# Altium PCB Vibration.PcbDoc (continued)
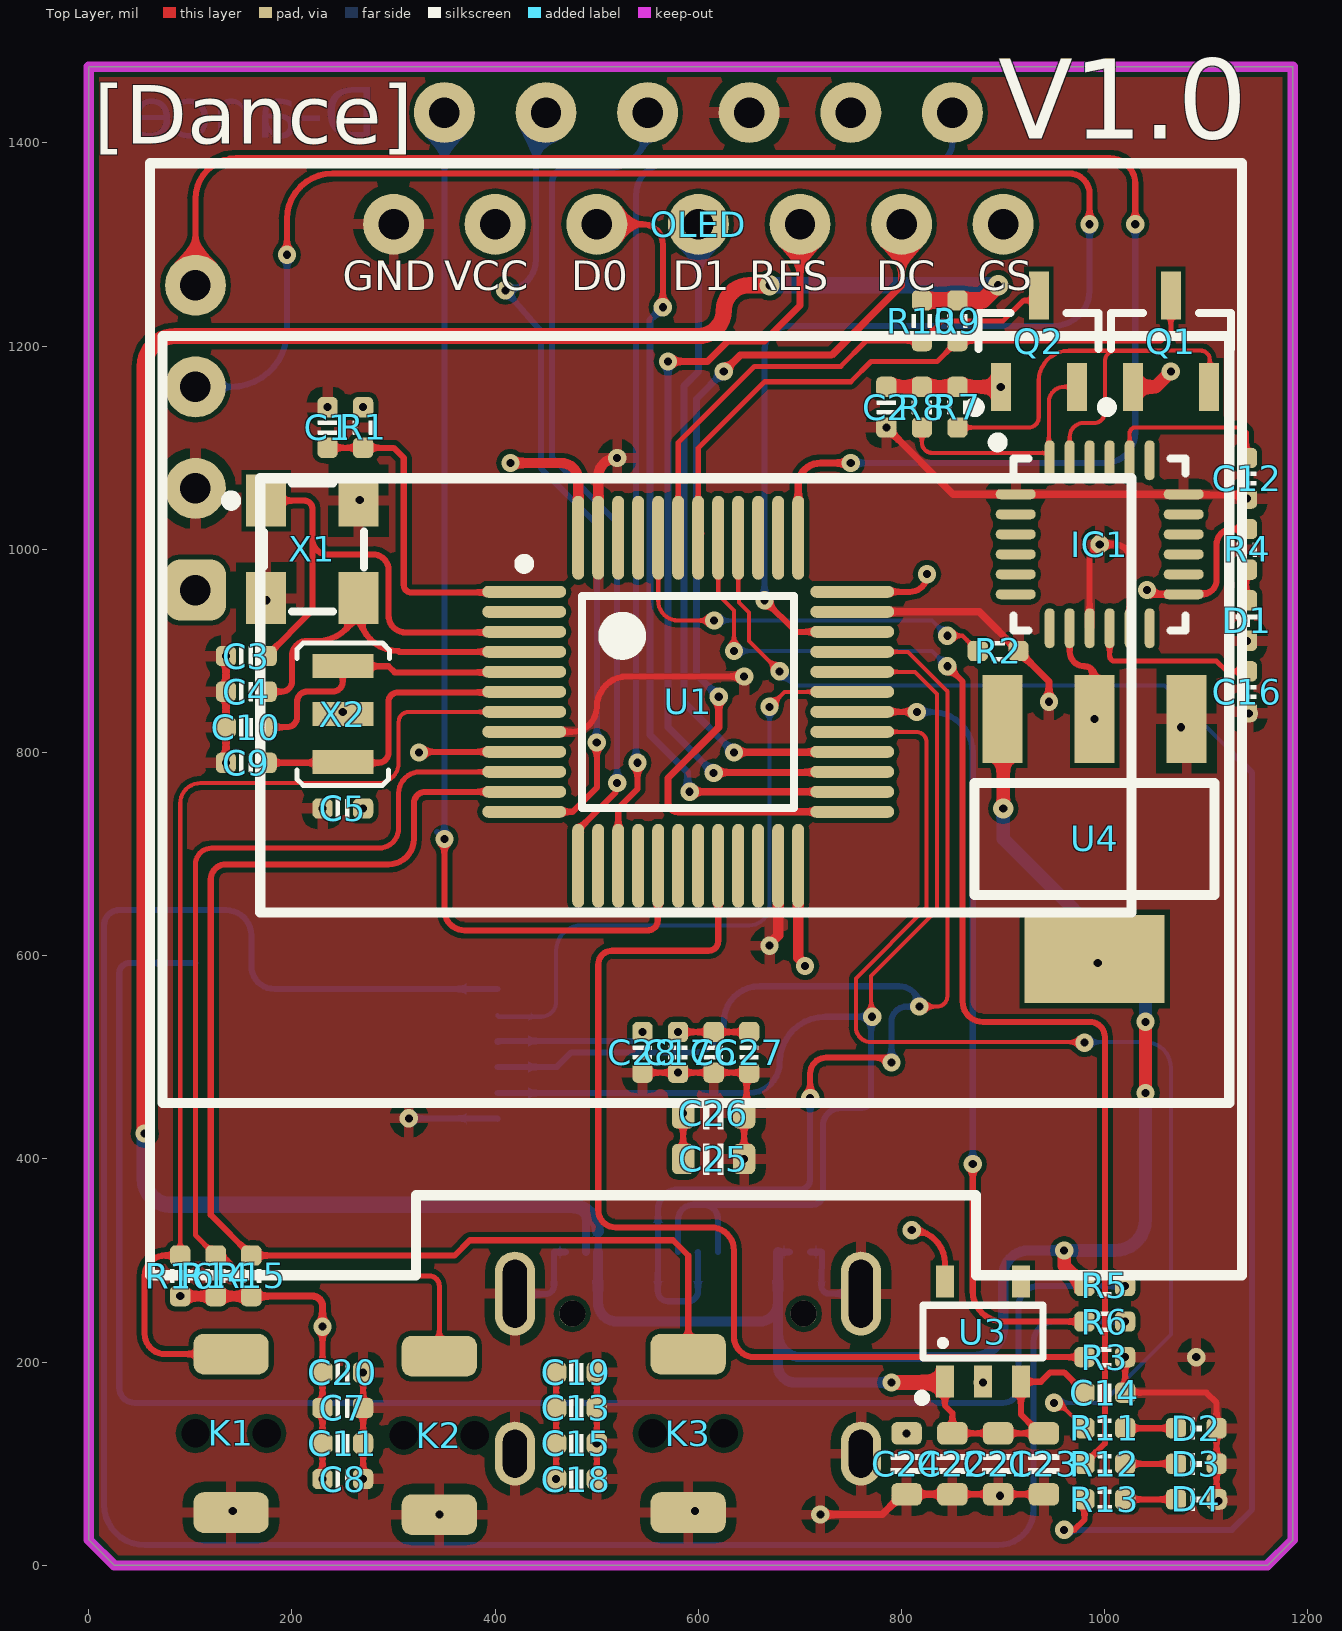
[diagram p0: Top Layer view]
## Layer stack, top to bottom (continued)

## Board outline
25,0 0,25 0,1475 1185,1475 1185,25 1160,0

## Design rules (kind name [scope] priority, off if disabled: settings)
Clearance [All] p1: gap=5
PlaneClearance [All] p1: clearance=6
PlaneConnect [All] p1: planeconnectstyle=Relief reliefexpansion=20 reliefentries=4 reliefconductorwidth=10 reliefairgap=10
PolygonConnect [All] p1: connectstyle=Relief reliefconductorwidth=10 reliefentries=4 polygonreliefangle="90 Angle" airgapwidth=10
RoutingVias [All] p1: holewidth=28 width=50 viastyle="Through Hole" minholewidth=28 minwidth=50 maxholewidth=28 maxwidth=50
SolderMaskExpansion [All] p1: expansion=4
Width [All] p1: maxlimit=20 minlimit=4 preferedwidth=6
28 further rules are at their usual default settings.

## Components (designator, comment, footprint, x,y, rotation, side; value= is the part's Value field where it differs from the comment)
"Blue tooth1" "Blue tooth" 蓝牙 565,820 r180 bottom
C1 "0.1uF" CAP_0402 235,1120 r270 top
C2 "0.1uF" CAP_0402 785,1140 r270 top
C3 "12pF" CAP_0402 155,895 r180 top
C4 "12pF" CAP_0402 155,860 r0 top
C5 "0.1uF" CAP_0402 250,745 r0 top
C6 "2.2uF" CAP_0402 615,505 r270 top
C7 "2.2uF" CAP_0402 250,155 r0 top
C8 "2.2uF" CAP_0402 250,85 r0 top
C9 "22pF" CAP_0402 155,790 r0 top
C10 "22pF" CAP_0402 155,825 r0 top
C11 "0.1uF" CAP_0402 250,120 r180 top
C12 "104" CAP_0402 1140,1070 r90 top
C13 "104" CAP_0402 480,155 r0 top
C14 "104" CAP_0402 1000,170 r0 top
C15 "104" CAP_0402 480,120 r0 top
C16 "104" CAP_0402 1140,860 r270 top
C17 "2.2uF" CAP_0402 580,505 r270 top
C18 "2.2uF" CAP_0402 480,85 r0 top
C19 "2.2uF" CAP_0402 480,190 r0 top
C20 "2.2uF" CAP_0402 250,190 r0 top
C21 "0.1uF" 0603-CAP 895,100 r90 top
C22 "0.1uF" 0603-CAP 850,100 r90 top
C23 "0.1uF" 0603-CAP 940,100 r90 top
C24 "0.1uF" 0603-CAP 805,100 r90 top
C25 "0.1uF" 0603-CAP 615,400 r180 top
C26 "0.1uF" 0603-CAP 615,445 r180 top
C27 "2.2uF" CAP_0402 650,505 r270 top
C28 "0.1uF" CAP_0402 545,505 r90 top
D1 "color?" LED_0402_BLUE 1140,930 r270 top
D2 "color?" LED_0402_BLUE 1090,135 r0 top
D3 "color?" LED_0402_BLUE 1090,100 r0 top
D4 "color?" LED_0402_BLUE 1090,65 r0 top
IC1 "MPU6050" "QFN24 - 4*4*0.9" 995,1005 r180 top
K1 "TACT 2P" ButtonTACT_3x4x2_180H 140,130 r90 top
K2 "TACT 2P" ButtonTACT_3x4x2_180H 345,128 r270 top
K3 "TACT 2P" ButtonTACT_3x4x2_180H 590,130 r270 top
OLED "OLED" "OLED 0.96" 300,1320 r0 top
Port "CH340T" SSOP-20 407.09,618.54 r180 bottom
Q1 "L2N7002LT1G" SOT23-3N 1065,1205 r0 top
Q2 "L2N7002LT1G" SOT23-3N 935,1205 r0 top
R1 "10K" RES_0402 270,1120 r270 top
R2 "10K" RES_0402 895,900 r0 top
R3 "10K" RES_0402 1000,205 r180 top
R4 "1K" RES_0402 1140,1000 r270 top
R5 "10K" RES_0402 1000,275 r180 top
R6 "200" RES_0402 1000,240 r0 top
R7 "4.7K" RES_0402 855,1140 r270 top
R8 "4.7K" RES_0402 820,1140 r270 top
R9 "4.7K" RES_0402 855,1225 r90 top
R10 "4.7K" RES_0402 820,1225 r90 top
R11 "510R" RES_0402 1000,135 r0 top
R12 "510R" RES_0402 1000,100 r0 top
R13 "510R" RES_0402 1000,65 r0 top
R14 "10K" RES_0402 125,285 r90 top
R15 "10K" RES_0402 160,285 r90 top
R16 "10K" RES_0402 90,285 r270 top
SWD1 "SWD" SWD 105,960 r90 bottom
U1 "STM32F103C8" LQFP48_M 590,850 r0 top
U3 "SPX3819M5" "L - SOT23-5L" 880,230 r0 top
U4 "1117-ADJ" SOT223_JX 990,715 r90 top
USB1 "Type-C" Type-C-TOP 589.72,209.21 r270 bottom
X1 "32MHz" "XTAL3225   无源" 220,1000 r270 top
X2 "8MHz" XTAL3215 250,837.76 r270 top

## Footprints (in the part's own frame and the unit in brackets; to place one, negate y for a bottom-side part, rotate by r counter-clockwise, add the part's x,y. Pads: shape width x height; smd on the part's side, far side on the other; paste and mask are expansions set on the pad)
0603-CAP [mil]
  rrect50% 22x30 smd: 1(-30,0) 2(30,0)
  silkscreen extent -10,-15 10,15, body extent -31,-16 32,16, height 31
ButtonTACT_3x4x2_180H [mil]
  round 0 hole 28: 0(0,35) 0(0,-35)
  rrect50% 40x74 smd: 1(-78,0) 2(78,0)
  body extent -79,-49 79,49, height 63
CAP_0402 [mil]
  rrect50% 20x20 smd: 1(-20,0) 2(20,0)
  silkscreen extent -7,-9 7,9, body extent -20,-10 20,10, height 20
"L - SOT23-5L" [mm] "3x1.6x1.1mm(长宽高)"
  rect 0.45x0.8 smd: 1(-0.95,-1.25) 2(0,-1.25) 3(0.95,-1.25) 4(0.95,1.25) 5(-0.95,1.25)
  silkscreen extent -1.6,-1.73 1.5,0.66, body extent -1.5,-1.25 1.5,1.25, height 1.08
LED_0402_BLUE [mil]
  rrect50% 20x20 smd: 1(-20,0) 2(20,0)
  silkscreen extent -6,-11 6,10, body extent -20,-10 20,10, height 18
LQFP48_M [mm] "封装库来自淘宝 ID：黄晶宝石 Thin QFP, 48-Leads, Body 7x7mm, Pitch 0.5mm, IPC Low Density"
  oval 2.1x0.3 smd: 1(-4.1,2.75) 2(-4.1,2.25) 3(-4.1,1.75) 4(-4.1,1.25) 5(-4.1,0.75) 6(-4.1,0.25) 7(-4.1,-0.25) 8(-4.1,-0.75) 9(-4.1,-1.25) 10(-4.1,-1.75) 11(-4.1,-2.25) 12(-4.1,-2.75) 25(4.1,-2.75) 26(4.1,-2.25) 27(4.1,-1.75) 28(4.1,-1.25) 29(4.1,-0.75) 30(4.1,-0.25) 31(4.1,0.25) 32(4.1,0.75) 33(4.1,1.25) 34(4.1,1.75) 35(4.1,2.25) 36(4.1,2.75)
  oval 0.3x2.1 smd: 13(-2.75,-4.1) 14(-2.25,-4.1) 15(-1.75,-4.1) 16(-1.25,-4.1) 17(-0.75,-4.1) 18(-0.25,-4.1) 19(0.25,-4.1) 20(0.75,-4.1) 21(1.25,-4.1) 22(1.75,-4.1) 23(2.25,-4.1) 24(2.75,-4.1) 37(2.75,4.1) 38(2.25,4.1) 39(1.75,4.1) 40(1.25,4.1) 41(0.75,4.1) 42(0.25,4.1) 43(-0.25,4.1) 44(-0.75,4.1) 45(-1.25,4.1) 46(-1.75,4.1) 47(-2.25,4.1) 48(-2.75,4.1)
  silkscreen extent -4.22,-2.65 2.65,3.57, body extent -4.5,-4.5 4.5,4.5, height 1.45
"OLED 0.96" [mil]
  round 60 hole 30: 1(0,0) 2(100,0) 3(200,0) 4(300,0) 5(400,0) 6(500,0) 7(600,0)
  silkscreen extent -240,-1034 835,60, body extent -228,-1036 824,61, height 334
"QFN24 - 4*4*0.9" [mm]
  oval 1x0.25 smd: 1(2.101,-1.251) 2(2.101,-0.751) 3(2.101,-0.251) 4(2.101,0.249) 5(2.101,0.749) 6(2.101,1.249) 13(-2.099,1.249) 14(-2.099,0.749) 15(-2.099,0.249) 16(-2.099,-0.251) 17(-2.099,-0.751) 18(-2.099,-1.251)
  oval 0.25x1 smd: 7(1.251,2.099) 8(0.751,2.099) 9(0.251,2.099) 10(-0.249,2.099) 11(-0.749,2.099) 12(-1.249,2.099) 19(-1.249,-2.101) 20(-0.749,-2.101) 21(-0.249,-2.101) 22(0.251,-2.101) 23(0.751,-2.101) 24(1.251,-2.101)
  silkscreen extent -2.15,-2.67 2.67,2.15, body extent -2.02,-2.02 2.02,2.02, height 0.88
RES_0402 [mil]
  rrect50% 20x20 smd: 1(-20,0) 2(20,0)
  silkscreen extent -7,-10 7,10, body extent -20,-10 20,10, height 14
SOT23-3N [mm] "3x1.3x1mm(长宽高)"
  rect 0.5x1.2 smd: 1(-0.95,-1.143) 2(0.95,-1.143) 3(0,1.143)
  silkscreen extent -1.72,-1.78 1.5,0.7, body extent -1.5,-1.2 1.5,1.2, height 1.05
SOT223_JX [mm]
  rect 2.2x1 smd: 1(3,-2.3) 2(3,0) 3(3,2.3)
  rect 2.2x3.5 smd: 2(-3,0)
  silkscreen extent -1.4,-3 1.4,3, body extent -3.61,-3.25 3.35,3.25, height 1.7
SSOP-20 [mm]
  rect 1.727x0.3 smd: 1(0.127,0)
  oval 1.727x0.3 smd: 2(0.127,-0.65) 3(0.127,-1.3) 4(0.127,-1.95) 5(0.127,-2.6) 6(0.127,-3.25) 7(0.127,-3.9) 8(0.127,-4.55) 9(0.127,-5.2) 10(0.127,-5.85) 11(7.673,-5.85) 12(7.673,-5.2) 13(7.673,-4.55) 14(7.673,-3.9) 15(7.673,-3.25) 16(7.673,-2.6) 17(7.673,-1.95) 18(7.673,-1.3) 19(7.673,-0.65) 20(7.673,0)
  silkscreen extent 1.84,-6.18 5.96,0.53, body extent -0.01,-6.52 7.89,0.78, height 1.79
SWD [mil] "SWD"
  rrect50% 60x60 hole 30: 1(0,0)
  round 60 hole 30: 2(100,0) 3(200,0) 4(300,0)
  silkscreen extent -45,-70 345,45, body extent -50,-53 350,45, height 323
Type-C-TOP [mm]
  round 0.65 hole 0.65: 0(-0.98,-2.89) 0(-0.98,2.89)
  oval 1.6x1 hole 0.6 slot 1.2 at 0 deg: 1(2.52,4.325) 2(2.52,-4.325)
  oval 2.1x1 hole 0.6 slot 1.7 at 0 deg: 3(-1.48,-4.325) 4(-1.48,4.325)
  rrect50% 1.5x0.3 smd: A1(-2.52,-3.35) A4(-2.52,-2.55) A5(-2.52,-1.25) A6(-2.52,-0.25) A7(-2.52,0.25) A8(-2.52,1.25) A9(-2.52,2.55) A12(-2.52,3.35) B1(-2.52,3.05) B4(-2.52,2.25) B5(-2.52,1.75) B6(-2.52,0.75) B7(-2.52,-0.75) B8(-2.52,-1.75) B9(-2.52,-2.25) B12(-2.52,-3.05)
  silkscreen extent -0.22,-4.33 5.12,4.33, body extent -2.64,-4.48 5.26,4.46, height 3.28
XTAL3215 [mm]
  rect 0.6x1.524 smd: 1(-1.2,0) 2(0,0) 3(1.2,0)
  silkscreen extent -1.78,-1.14 1.78,1.17
"XTAL3225   无源" [mil]
  rect 51.18x39.37 smd: 1(-48,-45.5) 2(48,-45.5) 3(48,45.5) 4(-48,45.5)
  silkscreen extent -65,-85 61,51
蓝牙 [mil]
  round 60 hole 30: 1(215,610) 2(115,610) 3(15,610) 4(-85,610) 5(-185,610) 6(-285,610)
  silkscreen extent -325,-800 255,650, body extent -325,-800 255,650, height 370

## Part data
C1 C2 C3 C4 C5 C6 C7 C8 C9 C10 C11 C12 C13 C14 C15 C16 C17 C18 C19 C20 C27 C28: library part 电容-0402, "Capacitor"
C21 C22 C23 C24 C25 C26: library part 电容-0603, "Capacitor"
D1 D2 D3 D4: library part LED_0402, "LED"
IC1: library part MPU6000
K1 K2 K3: library part ButtonTACT_3x4x2_180, "Button"
Port: "Port"
Q1 Q2: library part SI2301, "P沟道 20V/2.8A"
R1 R2 R3 R4 R5 R6 R7 R8 R9 R10 R11 R12 R13 R14 R15 R16: library part 电阻-0402, "Resistor"
U1: library part STM32F103C6
U4: library part AMS1117-ADJ, "IC"
USB1: library part USB-Type-C-TOP
X1: library part XTAL-无源贴片, "无源贴片晶振"
X2: library part XTAL-3215

## Via types
v1: diameter 18, hole 8, Top Layer to Bottom Layer, tented both sides, 90 vias
v2: diameter 20, hole 8, Top Layer to Bottom Layer, tented both sides, 4 vias

## Nets (pads, with @x,y where several pads share a name; then routed paths per layer and width w, separated by ;. In a path a pad name is that pad's centre, name@x,y a point inside that pad or via, vN(x,y) a via of type N, cw(c..) or ccw(c..) an arc to the next point about the centre after c; other vN are vias at no path point)
3V3: "Blue tooth1.5" C2.1 C5.2 C6.1 C7.1 C8.1 C11.2 C13.1 C15.1 C17.1 C18.1 C19.1 C20.1 C24.2 C25.2 C26.2 C27.1 IC1.8 IC1.13 OLED.2 Q1.1 Q2.1 R1.1 R4.1 R7.1 R8.1 R14.1 R15.1 R16.2 SWD1.1 U1.9 U1.24 U1.36 U1.48 U3.5 U4.2 | length 1449.6
  Top Layer w6: v1(230,85) C11.2 C7.1 C20.1 v1(230,235) ; v1(325,800) cw(c325.79,800) 325.79,800.79 U1.9 ; v1(460,85) C15.1 C13.1 C19.1 ; v1(580,525) C6.1 C27.1 ; C25.2 v1(585,445) ; U1.36 808.27,958.27 ccw(c808.27,975) v1@825,975 ; v1(810,330) cw(c810,297.4) 842.6,297.4 U3.5 U3.5@843.8,280.41 ; IC1.8 965.43,899.57 ccw(c980,899.57) 980,885 cw(c980,875) 990,875 v2(990,833.1) ; U4.2@990,596.89 993,593.89 v1(993,593) ; IC1.13 1095.84,955.84 ccw(c1095.84,970) 1110,970 1110,1005 cw(c1125,1005) 1125,1020 R4.1
  Top Layer w7: R15.1 220,265 cw(c220,255) 230,255 v1(230,235) ; C24.2@801,130 C24.2 ; v1@825,975 v1(825,975.62) ; v1(1041.49,960) 1041.62,960 1045.78,955.84 IC1.13
  Top Layer w10: v1(90,265) R14.1 R15.1 ; v1(415,1085) 465,1085 cw(c465,1068.27) 481.73,1068.27 U1.48 ; U1.24 698.27,598.09 705,591.35 v1(705,590)
  Top Layer w13: C2.1 R8.1 R7.1 v1(897.6,1160) ; Q1.1 1050,1160 v1(1065,1175)
  other v1: 804.7,129.85 270,745 270,1140
BOOT0: R2.1 U1.44 | length 400
  Top Layer w4: U1.44 560.47,949.53 ccw(c580,949.53) 580,930 v1(615.5,930) ; v1(845,915) 860,915 R2.1
  Bottom Layer w4: v1(615.5,930) 830,930 v1(845,915)
BT_IN: "Blue tooth1.1" U1.17 | length 1075.8
  Top Layer w6: v1(350,715) 350,645 ccw(c370,645) 370,625 550,625 ccw(c550,635) 560,635 560,688.11 U1.17
  Bottom Layer w6: 343,722 v1(350,715) 350,1430
BT_Key: "Blue tooth1.6" U1.15 | length 1039.3
  Top Layer w6: U1.15 521.1,745.18 540,764.08 v1(540,790)
  Bottom Layer w6: v1(540,790) 538.5,791.5 538.5,1348.5 cw(c570,1348.5) 570,1380 830,1380 ccw(c830,1400) 850,1400 850,1430
BT_RX: "Blue tooth1.2" U1.12 | length 804.3
  Top Layer w6: U1.12 476.18,741.73 500,765.56 v1(500,810)
  Bottom Layer w6: 450,1430 ccw(c450,1420) 440,1420 440,1285 cw(c410,1285) v1(410,1255) 443.49,1216.72 cw(c439,1212.75) 445,1212.75 445,1080 500,1025 v1(500,810)
BT_TX: "Blue tooth1.3" U1.13 | length 854.6
  Top Layer w6: U1.13 481.73,724.02 518.28,760.56 518.28,768.28 v1(520,770)
  Bottom Layer w6: v1(520,770) 520,1026 456,1090 456,1361 cw(c470,1361) 470,1375 510,1375 ccw(c510,1415) 550,1415 550,1430
D0: OLED.3 U1.26 | length 796.9
  Top Layer w6: OLED.3 545,1320 cw(c545,1300) 565,1300 v1(565,1238.38) ; U1.26@750.71,760.71 U1.26
  Top Layer w7: v1(591.42,761.42) 750,761.42 U1.26@750.71,760.71
  Bottom Layer w7: v1(565,1238.38) 552.5,1225.88 552.5,817.5 589.31,780.69 589.31,763.52 v1(591.42,761.42)
D1: OLED.4 U1.28 | length 662.8
  Top Layer w6: v1(635,800) v1@635.39,800.39 ; U1.28@751.02,800.39 U1.28
  Top Layer w7: v1@635.39,800.39 U1.28@751.02,800.39
  Bottom Layer w7: OLED.4 600,1175 586,1161 586,849 v1(635,800)
DC: OLED.6 U1.25 | length 921.6
  Top Layer w7: v1(620,855) 620,825 570,775 570,751.73 ccw(c580,751.73) 580,741.73 U1.25 ; v1(625,1175) 641.17,1191.17 731.17,1191.17 800,1260 OLED.6
  Bottom Layer w7: v1(620,855) 598,877 598,1148 v1(625,1175)
GND: "Blue tooth1.4" C1.1 C2.2 C3.2 C4.1 C5.1 C6.2 C7.2 C8.2 C9.1 C10.1 C11.1 C12.1 C13.2 C14.2 C15.2 C16.2 C17.2 C18.2 C19.2 C20.2 C21.1 C22.1 C23.1 C24.1 C25.1 C26.1 C27.2 C28.1 D1.2 D2.2 D3.2 D4.2 IC1.1 IC1.9 IC1.11 IC1.18 K1.1 K2.2 K3.2 OLED.1 Port.8 R2.2 R3.1 SWD1.2 U1.8 U1.23 U1.35 U1.47 U3.2 U4.1 USB1.1 USB1.2 USB1.3 USB1.4 USB1.A1 USB1.A12 USB1.B1 USB1.B12 X1.2 X1.4 X2.2 | length 2531.5
  Top Layer w6: v1(270,85) C11.1 C7.2 v1(270,190) ; U1.8 475.47,820.47 ccw(c475.47,845) 500,845 cw(c530,845) 530,875 v1(645,875) ; C18.2 v1(500,120) C13.2 C19.2 ; C28.1 v1(580,485) C6.2 C27.2 647.5,482.5 647.5,447.5 C26.1 v1(645,400) ; C22.1 C21.1 C23.1 ; IC1.9 985.12,995.12 v1(995,1005) 1009.49,1005 cw(c1009.49,990) 1024.49,990 IC1.11 ; v1(1020,205) C14.2 1100,170 1110,160 D2.2 D3.2 D4.2
  Top Layer w7: v1(135,790) C10.1 C4.1 v1(135,895) ; K1.1 K1.1@141,51 ; X2.2@231.81,837.76 X2.2 X2.2@241.69,829.44 ; v1(720,50) 781,50 801,70 C24.1 C22.1 ; U1.35 876.42,938.58 R2.2 945,870 v1(945,850) ; v1(785,1120) 850.73,1054.27 IC1.1 IC1.18 1078.18,1053.72 1136.28,1053.72 v1(1140,1050)
  Top Layer w10: U1.8@428.35,820.24 U1.8 ; U1.47 501.42,1071.42 cw(c520,1071.42) v1(520,1090) ; v1(670,610) 670,611.35 678.58,619.94 U1.23
  Bottom Layer w6: v1(315,440) 402.09,440 Port.8 ; USB1.4@434.86,285.49 419.45,270.08 USB1.4 419.45,267.07 449.8,267.07 ccw(c449.8,275.11) 457.83,275.11 USB1.A12 USB1.B1 ; USB1.B12 USB1.A1 721.17,274.98 ccw(c728.68,274.98) 728.68,267.48 USB1.3 USB1.3@750,257.49
  other v1: 345,50 141.73,53.5 596.73,53.5 1111.73,63.5 896.73,68.5 880,180 1090,205 230,745 1075,825 1141.73,838.5 250,840 1140,910 175,950 266.73,1048.5 235,1140
KEY1: K2.1 R14.2 U1.10 | length 1086.6
  Top Layer w5: R14.2 105,325 105,690 cw(c121,690) 121,706 285.44,706 ccw(c285.44,725.56) 305,725.56 305,760 cw(c326.1,760) 326.1,781.1 U1.10 ; R14.2@131.62,305 151.62,285 335,285 cw(c335,275) 345,275 K2.1
  Top Layer w6: R14.2 R14.2@131.62,305
KEY2: K3.1 R15.2 U1.11 | length 1298.9
  Top Layer w6: U1.11 331.42,761.42 ccw(c331.42,750) 320,750 320,715 cw(c295,715) 295,690 135,690 ccw(c135,675) 120,675 120,345 R15.2 360,305 375,320 575,320 590,305 K3.1
LED1: R11.1 U1.29 | length 1167.2
  Top Layer w4: U1.29 814.16,820.47 cw(c814.16,810) 824.64,810 824.64,647.36 755,577.73 755,530 ccw(c770,530) 770,515 v1@979.5,515 ; v1@955,160 R11.1
  Top Layer w6: v1(950,160) v1@955,160 ; v1@979.5,515 v1(980,514.5)
  Bottom Layer w4: v1(950,160) 997.63,160 1065,227.37 1065,490 ccw(c1040,490) 1040,515 v1@980.5,515
  Bottom Layer w6: v1(980,514.5) v1@980.5,515
LED2: R12.1 U1.41 | length 1258.5
  Top Layer w4: U1.41 619.53,955.47 635,940 v1(635,900)
  Top Layer w6: v1(845,885) 859.95,870.05 859.95,854.98 860,854.93 860,555 ccw(c880,555) 880,535 985,535 cw(c985,520) 1000,520 1000,120 R12.1
  Bottom Layer w4: v1(635,900) 830,900 v1(845,885)
LED3: R13.1 U1.40 | length 1617.7
  Top Layer w4: U1.40 639.21,955.79 640,955 640,947.73 650,937.73 650,910 v1(680,880) v1@680,880.51
  Top Layer w6: v1(960,35) 970,35 980,45 R13.1
  Bottom Layer w4: v1(680,880) 694,866 1059,866 1125,800
  Bottom Layer w6: v1(960,35) 1125,35 1145,55 1145,780 1125,800
MPU_SCL: IC1.23 Q1.2 R7.2 | length 478.5
  Top Layer w4: R7.2 925,1120 ccw(c925,1130) 935,1130 935,1165.96 cw(c964.54,1165.96) 964.54,1195.5 1010.5,1195.5 ; IC1.23@966.55,1088.85 IC1.23 965.43,1110.63 cw(c979.18,1110.63) 979.18,1124.38 989.38,1124.38 ccw(c989.38,1135) 1000,1135 1000,1185 cw(c1010.5,1185) 1010.5,1195.5 ; Q1.2 1103.34,1160.94 1103.34,1186.66 ccw(c1094.38,1186.66) 1094.38,1195.62 1059.06,1195.62 1058.93,1195.5 1010.5,1195.5
MPU_SDA: IC1.24 Q2.2 R8.2 | length 245.3
  Top Layer w4: R8.2 820,1105 ccw(c830,1105) 830,1095 938.48,1095 cw(c938.48,1088.48) 945,1088.48 945,1145 cw(c960,1145) 960,1160 Q2.2 Q2.2@970,1157.6
NetC1_2: C1.2 R1.2 U1.1 | length 327.2
  Top Layer w6: C1.2 R1.2 300,1100 310,1090 310,965 ccw(c317.36,965) 317.36,957.64 427.95,957.64 U1.1
NetC12_2: C12.2 IC1.20 | length 172.5
  Top Layer w4: IC1.20 1024.49,1114.49 cw(c1030,1114.49) 1030,1120 1135,1120 1140,1115 C12.2
NetC16_1: C16.1 IC1.10 | length 169.5
  Top Layer w5: IC1.10 1004.8,895.2 ccw(c1010,895.2) 1010,890 1110,890 1120,880 C16.1
NetC28_2: C28.2 Port.5 | length 149.8
  Bottom Layer w6: Port.5@403.27,515 cw(c403.27,516.18) Port.5 536.18,516.18 ccw(c536.18,525) v1(545,525)
NetD1_1: D1.1 R4.2 | length 30
  Top Layer w4: D1.1 R4.2
NetD2_1: D2.1 R11.2 | length 50
  Top Layer w6: R11.2 D2.1
NetD3_1: D3.1 R12.2 | length 50
  Top Layer w6: R12.2 D3.1
NetD4_1: D4.1 R13.2 | length 50
  Top Layer w6: R13.2 D4.1
NetPort_3: Port.3 R6.2 | length 2247.1
  Bottom Layer w6: Port.3 182.64,567.36 cw(c182.64,590) 160,590 160,620 ccw(c135,620) 135,645 30,645 ccw(c30,630) 15,630 15,60 ccw(c55,60) 55,20 895,20 ccw(c895,55) 930,55 930,220 cw(c950,220) 950,240 v1(1020,240)
NetPort_19: Port.19 R5.1 | length 1588.3
  Top Layer w6: R5.1@1019.25,275.75 v1(1020,275)
  Bottom Layer w6: Port.19 40,592.95 ccw(c40,582.95) 30,582.95 30,175 ccw(c45,175) 45,160 900,160 ccw(c900,175) 915,175 915,255 cw(c935,255) 935,275 v1(1020,275)
NetR3_2: R3.2 U1.20 | length 1046.1
  Top Layer w6: U1.20 619.53,614.53 cw(c610,614.53) 610,605 515,605 ccw(c515,591.42) 501.42,591.42 501.42,349.58 ccw(c518.24,349.58) 518.24,332.76 612.24,332.76 cw(c612.24,310) 635,310 635,225 ccw(c655,225) 655,205 R3.2
  Top Layer w7: U1.20@618.61,687.66 U1.20
OSC_IN1: C3.1 U1.3 X1.1 | length 494.2
  Top Layer w6: X1.1 212,1048 cw(c212,1040) 220,1040 220,1010 ; C3.1 220,940 220,1010 ; U1.3 427.95,918.27 311.73,918.27 cw(c311.73,935) 295,935 295,980 ccw(c280,980) 280,995 235,995 cw(c235,1010) 220,1010
OSC_IN2: C10.2 U1.5 X2.1 | length 303.5
  Top Layer w6: C10.2 195,825 ccw(c195,835) 205,835 205,850 cw(c215,850) 215,860 240,860 ccw(c240,870) 250,870 X2.1 295,885 301.1,878.9 427.95,878.9 U1.5
OSC_OUT1: C4.2 U1.4 X1.3 | length 351.5
  Top Layer w6: C4.2 190,860 ccw(c190,870) 200,870 200,895 cw(c215,895) 215,910 225,910 ccw(c225,950.5) X1.3@265.5,950.5 ; X1.3 X1.3@265.5,950.5 ; U1.4 305.79,899.21 cw(c305.79,900) 305,900 cw(c305,939.5) 265.5,939.5 X1.3@265.5,950.5
OSC_OUT2: C9.2 U1.6 X2.3 | length 333.7
  Top Layer w6: C9.2 249.49,790 X2.3@249.74,790.26 ; X2.3@268.19,790.51 X2.3 250,790 285,790 ccw(c285,800) 295,800 295,850 cw(c304.21,850) 304.21,859.21 427.95,859.21 U1.6
  Top Layer w10: X2.3@249.74,790.26 X2.3
RES: OLED.5 U1.27 | length 793.3
  Top Layer w6: v1(615,780) v1@615.55,780.55 ; U1.27@750.87,780.55 U1.27
  Top Layer w7: v1(570,1185) 608.99,1185 628.99,1205 665,1205 700,1240 OLED.5 ; v1@615.55,780.55 U1.27@750.87,780.55
  Bottom Layer w7: v1(570,1185) 570,825 v1(615,780)
RESET: K1.2 R16.1 U1.7 | length 1052.8
  Top Layer w4: R16.1 90,750 cw(c110,750) 110,770 285,770 ccw(c285,790) 305,790 305,830.23 cw(c314.77,830.23) 314.77,840 U1.7@427.95,840
  Top Layer w6: R16.1 75,305 ccw(c75,285) 55,285 55,228 ccw(c75,228) 75,208 K1.2 ; U1.7@427.95,840 427.95,839.53 U1.7
SCL: Q1.3 R9.1 U1.42 | length 642.2
  Top Layer w4: U1.42 U1.42@604,1015.57
  Top Layer w5: U1.42 599.84,1099.84 665,1165 750,1165 770,1185 835,1185 R9.1 1055,1205 1065,1215 Q1.3
SDA: Q2.3 R10.1 U1.43 | length 520.7
  Top Layer w5: U1.43 580.16,1105.16 655.17,1180.17 740.17,1180.17 765,1205 R10.1 840,1225 900,1225 920,1245 934.24,1245 Q2.3@935,1245.76
  Top Layer w6: Q2.3@928.16,1234.67 935,1241.51 Q2.3@935,1245.76
SWCLK: SWD1.4 U1.37 | length 1705.2
  Top Layer w6: SWD1.4 105,1345 cw(c145,1345) 145,1385 1005,1385 cw(c1005,1360) 1030,1360 v1(1030,1320)
  Top Layer w7: U1.37 698.27,1063.27 cw(c720,1063.27) 720,1085 v1(750,1085)
  Bottom Layer w6: v1(750,1085) 1000,1085 ccw(c1000,1115) 1030,1115 v1(1030,1320)
SWDIO: SWD1.3 U1.34 | length 1852
  Top Layer w6: v1(195,1290) 195,1325 cw(c240,1325) 240,1370 965,1370 cw(c965,1350) 985,1350 v1(985,1320) ; v1(665,950) 696.1,918.9 U1.34
  Bottom Layer w6: SWD1.3 140,1160 ccw(c140,1215) 195,1215 v1(195,1290) ; v1(665,950) 665,1195 cw(c690,1195) 690,1220 950,1220 ccw(c950,1255) 985,1255 v1(985,1320)
USART1_RX: Port.4 U1.31 | length 635.7
  Top Layer w4: v1(670,845) 684.84,859.84 U1.31
  Bottom Layer w4: Port.4 ccw(c403.86,541.77) 403.86,540 445,540 ccw(c445,555) 460,555 460,605 cw(c485,605) 485,630 650,630 ccw(c650,650) 670,650 v1(670,845)
USART1_TX: R6.1 U1.30 | length 798.7
  Top Layer w6: U1.30 815,840.16 v1(815,840) ; v1(870,395) 870,270 ccw(c900,270) 900,240 R6.1
  Bottom Layer w6: v1(815,840) 830,840 cw(c830,800) 870,800 v1(870,395)
USB_D+: Port.6 U1.33 USB1.A6 USB1.B6 | length 1521.2
  Top Layer w4: U1.33 806.14,899.21 845,860.36 845,560 cw(c835,560) 835,550 v1(817.5,550)
  Top Layer w6: v1(710,460) 710,484.04 cw(c725.71,484.04) 725.71,499.75 785.25,499.75 v1(790,495)
  Bottom Layer w6: Port.6 460.59,490.59 475,505 595,505 ccw(c595,535) 625,535 cw(c660,535) 660,570 797.5,570 cw(c797.5,550) v1(817.5,550) 805,550 ccw(c805,535) 790,535 v1(790,495) ; USB1.A6@599.28,308.14 USB1.A6 599.57,269.57 cw(c590,269.57) 590,260 570,260 cw(c570,270) 560,270 USB1.B6 560.2,350.2 cw(c580,350.2) 580,370 700,370 ccw(c700,380) 710,380 v1(710,460)
USB_D-: Port.7 U1.32 USB1.A7 USB1.B7 | length 1303.1
  Top Layer w4: U1.32 813.1,879.53 835,857.63 835,645 770,580 770,542.65 v1(771,540)
  Bottom Layer w6: Port.7 650,465 ccw(c650,495) 680,495 cw(c725,495) 725,540 v1(771,540) 770,536.68 770,460 cw(c760,460) 760,450 740,450 ccw(c740,432.5) 722.5,432.5 722.5,365 cw(c712.5,365) 712.5,355 605,355 ; USB1.A7 580,308.54 580,340 cw(c595,340) 595,355 605,355 ; USB1.B7 619.25,340.75 ccw(c605,340.75) 605,355
VDD_5V: C14.1 C21.2 C22.2 C23.2 R5.2 R9.2 R10.2 U3.1 U3.3 U4.3 USB1.A4 USB1.A9 USB1.B4 USB1.B9 | length 4207.7
  Top Layer w6: U3.1@841.81,180 U3.1 842.6,157.4 850,150 C22.2 C21.2 C23.2@936,130 ; C23.2 C23.2@936,130 ; C14.1 960,190 946.24,190 937.02,180.79 U3.3 917.4,148.6 C23.2@936,130
  Top Layer w12: U4.3 U4.3@900,832.57
  Top Layer w13: v2(900,745) U4.3@900,832.57 ; v1(960,310) 960,295 R5.2 ; v1(1040,465) v1(1040,535)
  Top Layer w15: v1(790,180) U3.1@841.81,180
  Top Layer w16: v1(55,425) 55,1180 cw(c85,1180) 85,1210 600,1210 ccw(c600,1235) 625,1235 cw(c650,1235) 650,1260 v2(670,1260) ; R10.2 R9.2 880,1245 v2(895,1260)
  Bottom Layer w6: USB1.B4 USB1.B4@501.14,328.86 ; USB1.B9 USB1.A4
  Bottom Layer w8: 475,355 cw(c475,340.67) 489.33,340.67 USB1.A9
  Bottom Layer w10: USB1.B4 501.14,258.86 ccw(c520,258.86) 520,240 660,240 ccw(c660,258.31) 678.31,258.31 ; USB1.B9 678.31,258.31 ; v1(790,180) 695,180 cw(c695,196.69) 678.31,196.69 678.31,227.5 ; v1(960,310) 925,310 ccw(c925,285) 900,285 900,235 cw(c870,235) 870,205 700.81,205 cw(c700.81,227.5) 678.31,227.5 ; 678.31,227.5 678.31,258.31
  Bottom Layer w12: 475,355 cw(c475,328.86) USB1.B4@501.14,328.86
  Bottom Layer w13: v2(900,745) 900,715 1040,575 v1(1040,535) ; v1(960,310) 1010,310 ccw(c1010,340) 1040,340 v1(1040,465)
  Bottom Layer w16: v1(55,425) 55,380 ccw(c80,380) 80,355 475,355 ; v2(670,1260) v2(895,1260)
pads on no net: IC1.2 IC1.3 IC1.4 IC1.5 IC1.6 IC1.7 IC1.12 IC1.14 IC1.15 IC1.16 IC1.17 IC1.19 IC1.21 IC1.22 K1.0 K2.0 K3.0 OLED.7 Port.1 Port.2 Port.9 Port.10 Port.11 Port.12 Port.13 Port.14 Port.15 Port.16 Port.17 Port.18 Port.20 U1.2 U1.14 U1.16 U1.18 U1.19 U1.21 U1.22 U1.38 U1.39 U1.45 U1.46 U3.4 USB1.0 USB1.A5 USB1.A8 USB1.B5 USB1.B8

## Polygon pours and split planes (outlines as drawn)
GND on Top Layer "GND_L01_P000" (solid, remove dead copper, pour order 0): 21.45,-3.55 -3.55,21.45 -3.53,21.44 cw(c0,25) -5.01,25 -5.01,1475 cw(c0,1475) 0,1480.01 1185,1480.01 cw(c1185,1475) 1190.01,1475 1190.01,25 cw(c1185,25) 1188.53,21.44 1188.55,21.45 1163.55,-3.55 cw(c1160,0) 1157.5,-4.35 cw(c1155,0) 1155,-5.01 30,-5.01 cw(c30,0) 27.5,-4.35 cw(c25,0)
GND on Bottom Layer "GND_L04_P001" (solid, remove dead copper, pour order 1): 21.45,-3.55 -3.55,21.45 -3.53,21.44 cw(c0,25) -5.01,25 -5.01,1475 cw(c0,1475) 0,1480.01 1185,1480.01 cw(c1185,1475) 1190.01,1475 1190.01,25 cw(c1185,25) 1188.53,21.44 1188.55,21.45 1163.55,-3.55 cw(c1160,0) 1157.5,-4.35 cw(c1155,0) 1155,-5.01 30,-5.01 cw(c30,0) 27.5,-4.35 cw(c25,0)
GND on GND02 (split plane): 1164.9,33.32 1151.68,20.1 33.32,20.1 20.1,33.32 20.1,1454.9 1164.9,1454.9
3V3 on PWR03 (split plane): 1164.9,33.32 1151.68,20.1 33.32,20.1 20.1,33.32 20.1,1454.9 1164.9,1454.9

## Keep-outs
Keep-Out Layer:
  lines w10: 1150,0 1160,0 1185,25 1185,1475 0,1475 0,25 25,0 30,0 1155,0

## Other copper
Bottom Layer:
  text "D-ance" at 284.02,1405.01 h50

## Silkscreen, mask and mechanical layers (free items; w line width, h text height)
Top Overlay:
  text "[Dance]" at 4.92,1399.33 h58
  text "V1.0" at 895,1378 h135

## Text inside footprints (layer, text, board x,y; h text height)
OLED: Top Overlay "CS" at 875,1245 h50; Top Overlay "DC" at 775,1245 h50; Top Overlay "RES" at 650,1245 h50; Top Overlay "D1" at 575,1245 h50; Top Overlay "D0" at 475,1245 h50; Top Overlay "VCC" at 350,1245 h50; Top Overlay "GND" at 250,1245 h50
SWD1: Bottom Overlay "VCC" at 44,929 h25 r270; Bottom Overlay "GND" at 44,1029 h25 r270; Bottom Overlay "SWC" at 44,1224 h25 r270